# KiCad board v1c.kicad_pcb (continued)
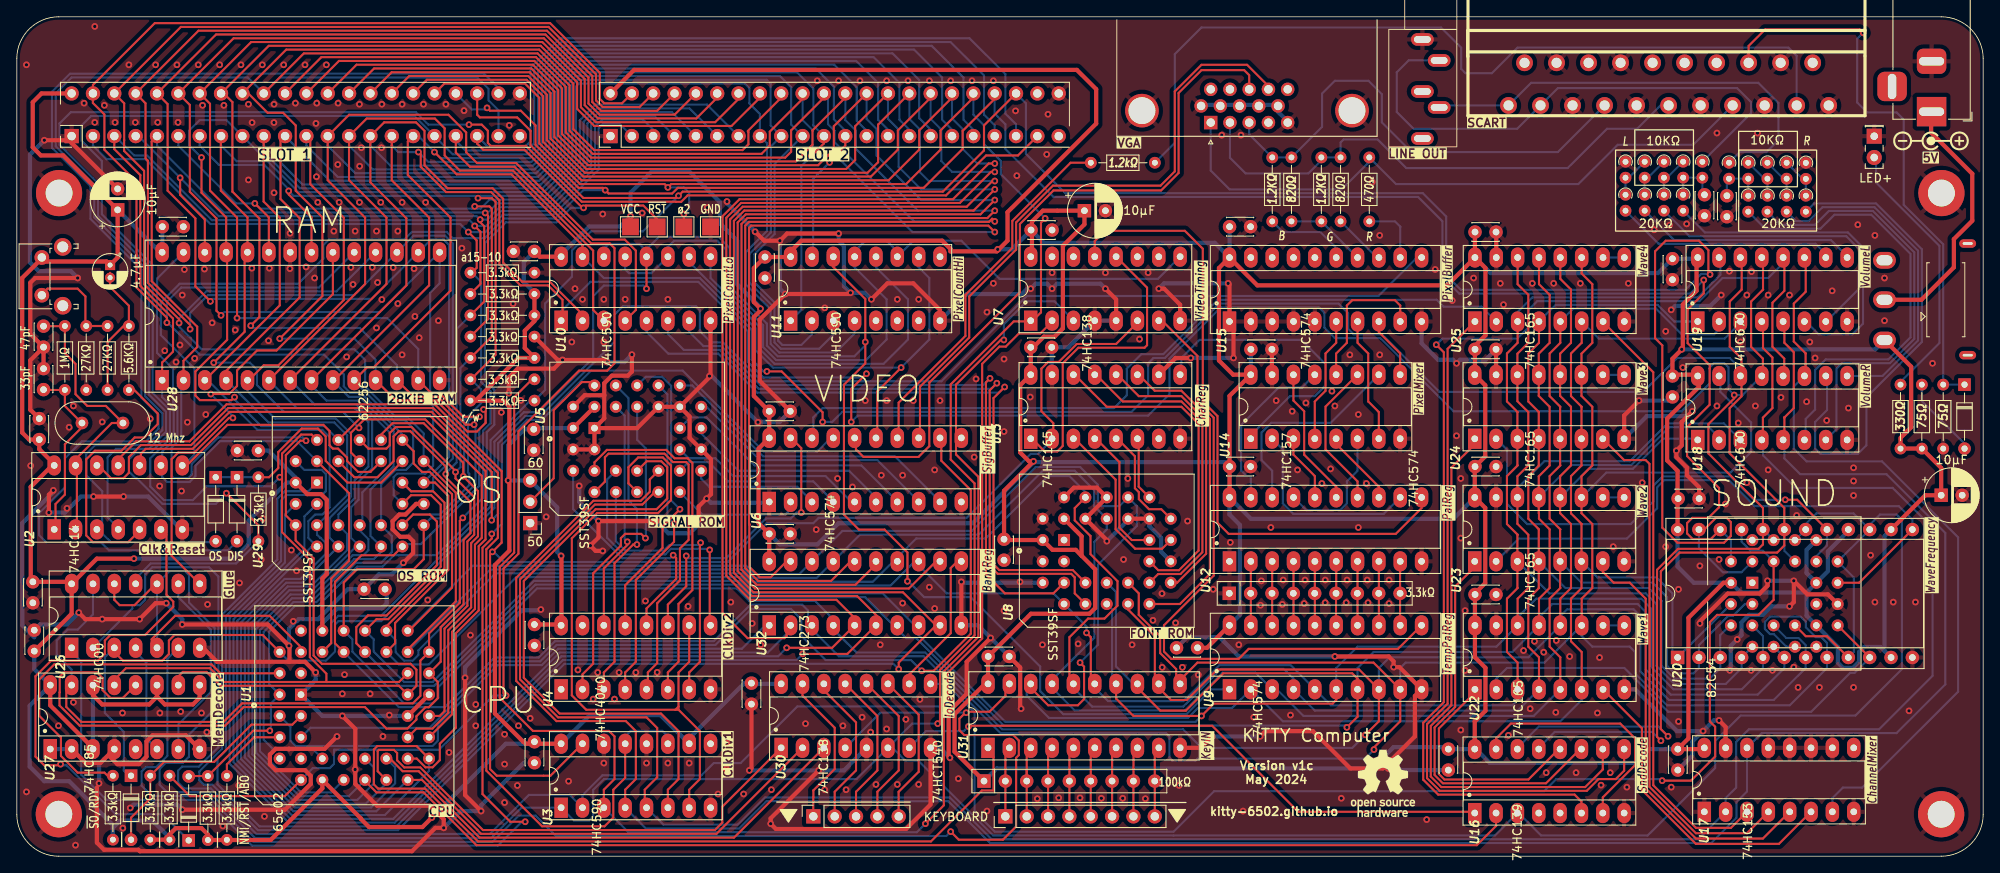
[diagram p0: board, top side]
## Routing (per net, layer and track width the routed paths; a pad name or vN(x,y) marks a point on that pad's centre or on a via; arc(x,y) is an arc through that point) (continued)
Net-(U4-Q7): length 36.6
  Top w0.25: v1(78.91,41.34) 76.84,39.27 76.84,36.72 72.39,32.28 72.39,27.5
  Bottom w0.25: v1(78.91,41.34) 77.87,42.38 77.87,56.04 76.79,57.12 74.86,57.12 U5.25
Net-(U4-Q8): length 29
  Top w0.25: 74.94,27.5 74.94,29.51 78.46,33.04 78.46,35.51 v1(78.11,35.86)
  Bottom w0.25: v1(78.11,35.86) 77.75,35.5 72.04,35.5 66.2,41.35 66.2,45.92
Net-(U4-Q9): length 26.6
  Top w0.25: v1(72.65,37.46) 72.65,37.07 69.86,34.28 69.86,28.62
  Bottom w0.25: v1(72.65,37.46) 72.34,37.77 72.34,52.49 U5.28
Net-(U5-D0): length 15.4
  Bottom w0.25: 78.9,43.38 81.6,40.69 91.45,40.69 92.24,41.47 92.24,42.11
Net-(U5-D1): length 15.5
  Bottom w0.25: U5.14 81.44,44.97 82.4,44.02 92.87,44.02 94.78,42.11
Net-(U5-D2): length 20.9
  Bottom w0.25: 78.9,45.92 79.94,46.96 82.31,46.96 84.62,44.65 94.78,44.65 97.32,42.11
Net-(U5-D3): length 23.6
  Bottom w0.25: 78.9,48.46 79.96,47.41 83.13,47.41 85.25,45.28 96.24,45.28 99.42,42.11 99.86,42.11
Net-(U5-D4): length 25.3
  Bottom w0.25: 102.4,42.11 102.4,42.56 99.04,45.92 85.89,45.92 81.44,50.36 U5.18
Net-(U5-D5): length 30.8
  Bottom w0.25: 78.9,51 80.17,52.27 82.08,52.27 87.79,46.56 100.49,46.56 104.94,42.11
Net-(U5-D6): length 30.8
  Bottom w0.25: 107.48,42.11 102.4,47.19 88.43,47.19 82.08,53.54 U5.20
Net-(U5-D7): length 36.9
  Bottom w0.25: 110.02,42.11 104.49,47.64 88.81,47.64 80.37,56.08 78.9,56.08
Net-(U10-~{RCO}): length 44.4
  Bottom w0.25: U10.9 82.56,68.88 88.36,63.07 88.36,60.47 90.17,58.66 103.14,58.66 106.05,61.56 106.05,66.34 102.24,70.15 U11.12
Net-(U13-D0): length 37.8
  Top w0.25: U8.13 138.41,30.05 141.98,33.62 141.98,52.06 138.58,55.46 135.41,55.46 133.5,57.36
Net-(U13-D1): length 34.3
  Top w0.25: 130.96,57.36 133.51,54.81 138.59,54.81 141.53,51.87 141.53,36.03 138.08,32.58 137.32,32.58
Net-(U13-D2): length 38.3
  Top w0.25: 128.42,57.36 131.61,54.17 138.59,54.17 141.08,51.69 141.08,36.22 138.48,33.62 135.82,33.62 134.78,32.58
Net-(U13-D3): length 39.5
  Top w0.25: U8.17 135.84,34.07 138.29,34.07 140.63,36.41 140.63,51.5 138.59,53.54 129.7,53.54 125.88,57.36
Net-(U13-D4): length 20.8
  Top w0.25: 137.32,37.67 136.29,36.63 133.08,36.63 130.76,38.95 130.76,44.87 125.88,49.74
Net-(U13-D5): length 15.9
  Top w0.25: U8.19 132.68,37.67 131.21,39.14 131.21,46.96 128.42,49.74
Net-(U13-D6): length 13
  Top w0.25: 130.96,49.74 133.05,47.65 133.05,43.84 133.52,43.37 133.52,42.54 134.72,41.34 136.19,41.34 137.32,40.2
Net-(U13-D7): length 7.5
  Top w0.25: 133.5,49.74 133.5,44.03 U8.21
Net-(U13-Q7): length 35.5
  Bottom w0.25: 138.58,57.36 138.58,59.35 140.74,61.51 152.84,61.51 155.74,58.62 155.74,56.08 154.47,54.81 151.51,54.81 146.84,50.14 U14.1
Net-(U14-Za): length 15
  Top w0.25: U14.4 154.46,54.17 155.74,55.44 155.74,59.89 157.01,61.16 U15.6
Net-(U14-Zb): length 15
  Top w0.25: U14.7 162.08,52.92 160.82,54.17 160.82,59.89 159.55,61.16 U15.7
Net-(U14-Zc): length 7.4
  Top w0.25: U15.8 162.09,62.43 164.62,59.9 U14.9
Net-(U14-Zd): length 17.6
  Top w0.25: U14.12 157,59.88 158.28,61.16 158.28,65.61 158.91,66.24 163.99,66.24 164.63,65.61 U15.9
Net-(U16A-O3): length 29.5
  Top w0.25: 176.03,12.91 176.03,14.03 177.8,15.8 190.81,15.8 192.58,14.03 192.58,10.86 188.73,7.01 188.73,5.29
Net-(U22-DS): length 2.5
  Bottom w0.25: U22.10 U22.9
Net-(U23-DS): length 2.5
  Bottom w0.25: U23.9 U23.10
Net-(U24-DS): length 2.5
  Bottom w0.25: U24.9 U24.10
Net-(U25-DS): length 2.5
  Bottom w0.25: U25.9 U25.10
Net-(U27-Oa<b): length 22.4
  Bottom w0.25: U27.7 19.22,15.71 23.08,19.57 23.08,27 19.22,30.86 19.22,31.95
Net-(U27-Oa=b): length 12.6
  Bottom w0.25: 14.14,24.33 15.41,23.06 15.41,14.03 16.68,12.76

## Copper pours and planes (outline as drawn; the poured copper is in the pictures)
GND on Top, Bottom: 234.14,100.15 234.14,-0.05 0.14,-0.05 0.14,100.15

## Text on the board
B.Silkscreen: JLCJLCJLCJLC
F.Silkscreen: 3.3kΩ | VCC | ~{RST} | ø2 | GND | OS DIS | r/~{w} | a15-10 | B | G | R | L | KeyIN | PixelCountLo | PixelCountHi | SigBuffer | BankReg | VideoTiming | CharReg | PixelMixer | PixelBuffer | PalReg | Wave2 | SndDecode | Wave1 | VolumeL | VolumeR | ChannelMixer | WaveFrequency | ~{SO}/RDY | ~{NMI}/~{RST}/~{ABO} | Wave4 | IoDecode | TempPalReg | Wave3 | 50 | 60 | 20KΩ | 10KΩ | KEYBOARD | LED+ | kitty-6502.github.io | Version v1c | Clk&Reset | 28KiB RAM | OS ROM | SIGNAL ROM | VGA | FONT ROM | May 2024 | LINE OUT | SCART | 5V | CPU | MemDecode | Glue | ClkDiv2 | ClkDiv1 | SLOT 1 | SLOT 2 | KITTY Computer | RAM | OS | VIDEO | SOUND
